# KiCad board hw-openmower-sabo.kicad_pcb (continued)
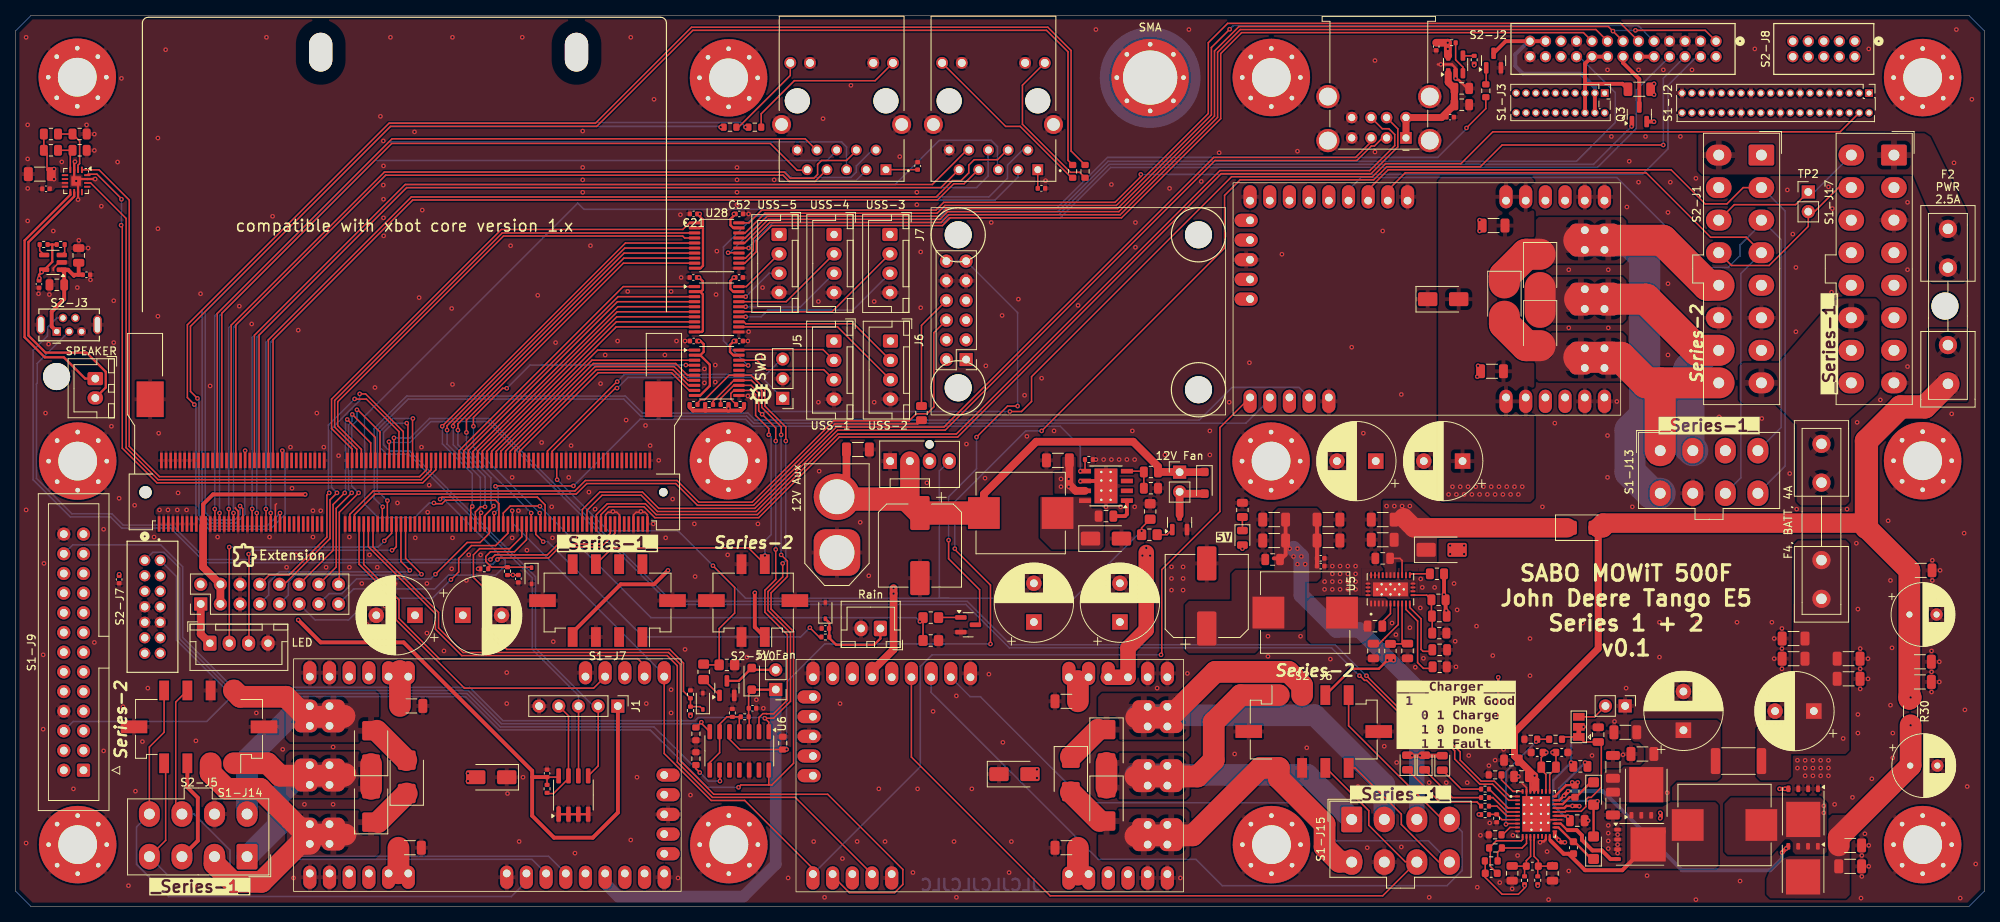
[diagram p0: board, top side]
## Routing (per net, layer and track width the routed paths; a pad name or vN(x,y) marks a point on that pad's centre or on a via; arc(x,y) is an arc through that point) (continued)
/Charger/FBG: length 8.7
  Top w0.2: U27.11 194.42,8.66 194.24,8.48 191.02,8.48 190.09,7.56 ; C49.2 190.24,5.18 190.24,7.41
/Charger/REGN: length 18.4
  Top w0.2: U27.24 199.93,12.21 200.01,12.28 201.97,12.28 202.57,12.88 202.57,13.77 202.89,14.08 203.27,14.08 204.57,15.38 204.57,20.83 ; R72.1 199.79,21.88 JP1.1 202.32,21.23 C84.1
/Charger/SRN: length 7
  Top w0.2: 193.1,5.21 C83.2 194.89,5.92 195.44,6.47 195.44,8.58 195.42,8.61 U27.13 ; R69.2 194.67,4.98
/Charger/SRP: length 7.7
  Top w0.2: 198.24,5.21 C83.1 196.44,5.92 195.89,6.47 195.89,8.58 195.92,8.61 U27.14 ; R68.2 196.37,5.13
  Top w0.3: 198.24,5.63 197.87,5.26
/Charger/STAT1: length 4.7
  Top w0.2: U27.4 192.55,12.71 190.1,15.16
/Charger/STAT2: length 4.5
  Top w0.2: R35.2 190.58,14.06 192.43,12.21 U27.5
/Charger/TS: length 15.2
  Top w0.2: v1(192.27,10.61) 192.37,10.71 U27.8 ; R72.2 196.47,21.58
  Bottom w0.2: v1(192.27,10.61) 192.27,17.38 v1(196.17,21.28)
/Charger/~{PG}: length 4.2
  Top w0.2: U27.6 192.37,11.71 191.12,12.96 R76.2
/Connectors/ETH1.LED_G: length 194.5
  Top w0.2: v1(23.07,64.78) 22.17,65.68 22.17,75.08 48.17,101.08 74.8,101.08 87.2,113.48 133.17,113.48 136.17,110.48 136.17,97.51 137.97,95.71 ; J26.54 v1(34.42,58.83)
  Bottom w0.2: v1(34.42,58.83) 34.77,58.48 34.77,50.59 32.87,48.68 24.94,48.68 23.27,50.35 23.27,64.58 v1(23.07,64.78)
/Connectors/ETH1.LED_Y: length 183
  Top w0.2: v1(34.12,50.78) J26.53 ; 136.37,95.71 135.77,96.31 135.77,110.31 132.99,113.08 87.37,113.08 74.97,100.68 48.37,100.68 22.57,74.88 22.57,66.48 v1(23.47,65.58)
  Bottom w0.2: v1(23.47,65.58) 23.67,65.38 23.67,50.52 25.1,49.08 32.42,49.08 v1(34.12,50.78)
/Connectors/ETH1.PAIR_A_N: length 133
  Top w0.2: J26.47 32.32,51.28 v1(32.31,51.3)
  Bottom w0.2: v1(32.31,51.3) 32.31,72.82 51.07,91.58 125.57,91.58 127.97,93.98 127.97,95.68 129.92,97.63 J23.2
/Connectors/ETH1.PAIR_A_P: length 129.7
  Top w0.2: v1(32.92,50.78) J26.49
  Bottom w0.2: v1(32.92,50.78) 32.92,72.83 51.27,91.18 126.37,91.18 129.33,94.15 J23.3
/Connectors/ETH1.PAIR_B_N: length 121.6
  Top w0.2: 127.92,97.63 126.67,96.38 123.67,96.38 122.97,95.68 122.97,94.68 121.97,93.68 120.87,93.68 118.77,91.58 51.07,91.58 32.62,73.13 J26.48
/Connectors/ETH1.PAIR_B_P: length 115.6
  Top w0.2: J26.50 33.22,73.17 51.24,91.18 118.94,91.18 121.04,93.28 122.37,93.28 124.18,95.09
/Connectors/ETH1.PAIR_C_N: length 134
  Top w0.2: J26.41 30.52,51.31 v1(30.53,51.32)
  Bottom w0.2: v1(30.53,51.32) 30.53,73.44 50.27,93.18 113.47,93.18 119.17,98.88 125.87,98.88 126.67,98.08 126.67,95.12
/Connectors/ETH1.PAIR_C_P: length 130.5
  Top w0.2: v1(31.12,50.78) J26.43
  Bottom w0.2: 125.47,97.66 125.47,94.28 123.97,92.78 50.44,92.78 31.13,73.48 31.13,50.79 v1(31.12,50.78)
/Connectors/ETH1.PAIR_D_N: length 118
  Top w0.2: J26.42 30.82,73.73 50.27,93.18 118.27,93.18 122.72,97.63
/Connectors/ETH1.PAIR_D_P: length 115.3
  Top w0.2: J26.44 31.42,73.73 50.47,92.78 119.37,92.78 121.68,95.09
/Connectors/ETH2.LED_G: length 122.6
  Top w0.2: v1(29.62,58.83) J26.38
  Bottom w0.2: v1(29.62,58.83) 29.57,58.78 29.57,50.62 28.44,49.48 25.27,49.48 24.07,50.68 24.07,76.95 48.3,101.18 93.57,101.18 v1(94.17,100.58)
/Connectors/ETH2.LED_Y: length 111.1
  Top w0.2: J26.37 29.32,51.33 v1(28.97,51.68)
  Bottom w0.2: v1(28.97,51.68) 28.97,50.58 28.27,49.88 25.47,49.88 24.47,50.88 24.47,76.78 48.37,100.68 90.87,100.68 v1(90.97,100.58)
/Connectors/ETH2.PAIR_A_N: length 118.8
  Top w0.2: J26.31 27.52,51.28 v1(27.51,51.3)
  Bottom w0.2: 110.45,97.56 108.47,95.58 108.47,94.78 107.78,94.1 100.06,94.1 99.37,94.78 47.6,94.78 27.51,74.69 v1(27.51,51.3)
/Connectors/ETH2.PAIR_A_P: length 116
  Top w0.2: v1(28.12,50.78) J26.33
  Bottom w0.2: v1(28.12,50.78) 28.12,74.73 47.77,94.38 99.07,94.38 99.76,93.7 108.42,93.7 109.75,95.02
/Connectors/ETH2.PAIR_B_N: length 108.9
  Top w0.2: J26.32 27.82,75.03 47.57,94.78 99.17,94.78 99.97,93.98 102.97,93.98 103.47,94.48 103.47,95.78 103.98,96.28 107.19,96.28 108.47,97.56
/Connectors/ETH2.PAIR_B_P: length 102.6
  Top w0.2: J26.34 28.42,75.07 47.74,94.38 99,94.38 99.8,93.58 103.14,93.58 104.58,95.02
/Connectors/ETH2.PAIR_C_N: length 121
  Top w0.2: v1(25.71,51.3) 25.72,51.28 J26.25
  Bottom w0.2: 107.21,95.02 107.21,98.04 106.57,98.68 48.17,98.68 25.71,76.22 v1(25.71,51.3)
/Connectors/ETH2.PAIR_C_P: length 115.3
  Top w0.2: v1(26.32,50.78) J26.27
  Bottom w0.2: v1(26.32,50.78) 26.32,76.27 46.34,96.28 104.65,96.28 105.93,97.56
/Connectors/ETH2.PAIR_D_N: length 105.9
  Top w0.2: 103.09,97.86 101.87,99.08 48.57,99.08 26.02,76.53 J26.26
/Connectors/ETH2.PAIR_D_P: length 105
  Top w0.2: 102.13,95.02 100.83,95.02 97.37,98.48 48.54,98.48 26.62,76.57 J26.28
/Connectors/USBH1.N: length 126.1
  Top w0.2: J26.177 73.72,51.13 75.67,53.08 80.71,53.08 82.81,50.98 95.54,50.98 106.04,61.48 119.94,61.48 154.74,96.28 173.04,96.28 174.91,98.15 175.3,98.15 176.35,99.2
/Connectors/USBH1.P: length 125
  Top w0.2: 174.87,98.68 172.87,96.68 154.57,96.68 119.77,61.88 105.87,61.88 95.37,51.38 82.98,51.38 80.88,53.48 75.37,53.48 73.12,51.23 J26.175
/Connectors/USBH2.N: length 129.2
  Top w0.2: J26.183 75.52,50.57 76.54,51.58 81.08,51.58 82.48,50.18 95.87,50.18 106.27,60.58 121.54,60.58 155.54,94.58 174.87,94.58 178.32,98.03 178.32,100.37 J16.6
/Connectors/USBH2.P: length 130.5
  Top w0.2: J26.181 74.92,50.57 76.34,51.98 81.25,51.98 82.65,50.58 95.7,50.58 106.1,60.98 121.37,60.98 155.37,94.98 174.7,94.98 177.92,98.2 177.92,99.64 177.17,100.38 176.31,100.38 J16.7
/DCDC/BIAS: length 7.4
  Top w0.2: U5.9 178.87,33.9 ; R26.2 179.53,33.9
/GPIO0: length 168.5
  Top w0.2: 102.87,4.88 94.07,13.68 89.75,13.68 83.68,19.75 U8.11 ; v1(147.77,32.48) 147.87,32.58 147.87,43.48 155.37,50.98 155.37,61.81 U9.11 ; v1(64.07,51.08) 64.12,51.03 J26.145
  Bottom w0.2: U10.11 116.72,18.03 116.72,30.97 118.23,32.48 v1(147.77,32.48) ; v1(64.07,51.08) 64.07,49.52 83.68,29.91
/GPIO1: length 56
  Top w0.2: v1(60.06,50.82) 59.92,50.68 J26.131 ; 87.59,84.98 78.6,84.98 55.67,62.06 v1(55.67,61.48)
  Bottom w0.2: v1(60.06,50.82) 59.97,50.9 59.97,55.38 55.67,59.68 v1(55.67,61.48)
/GPIO2: length 64.7
  Top w0.2: J26.141 62.92,50.78 63.82,51.68 67.62,51.68 v1(67.65,51.66) ; R25.1 R24.2
  Bottom w0.2: v1(116.67,36.78) 116.17,37.28 81.97,37.28 67.65,51.61 v1(67.65,51.66)
/GPIO3: length 196.7
  Top w0.2: v1(187.17,100.48) 189.67,102.98 R32.2 ; 62.36,49.41 62.36,51.99 61.92,52.43 55.47,52.43 55.02,51.98 54.07,51.98 v1(53.97,52.08)
  Bottom w0.2: 187.17,100.38 187.27,100.48 v1(187.17,100.48) 187.17,100.38 ; 187.17,100.38 183.47,96.68 140.87,96.68 134.27,90.08 119.9,90.08 119.8,89.98 73.34,89.98 72.54,90.78 45.04,63.28 45.04,51.94 46.79,50.18 51.47,50.18 53.37,52.08 v1(53.97,52.08)
/GPIO4: length 90.4
  Top w0.2: J26.137 61.72,50.57 61.76,50.61 v1(61.76,50.78) ; v1(71.97,54.28) 61.97,54.28 v1(61.92,54.23) ; U4.5 137.97,57.67
  Bottom w0.2: v1(61.76,50.78) 62.27,51.29 62.27,53.88 v1(61.92,54.23) ; v1(137.37,56.18) 137.37,59.38 134.77,61.98 95.07,61.98 94.17,62.88 80.57,62.88 v1(71.97,54.28)
/GPIO5: length 54.7
  Top w0.2: v1(57.07,61.48) 57.07,62.28 78.47,83.68 87.59,83.68 ; J26.133 60.52,50.43 61.67,51.58 v1(61.67,51.68)
  Bottom w0.2: v1(57.07,61.48) 57.07,59.58 61.32,55.33 61.32,52.03 v1(61.67,51.68)
/GPIO6: length 27
  Top w0.2: J26.135 61.12,48.17 59.94,46.98 58.27,46.98 v1(54.17,42.88)
  Bottom w0.2: v1(54.17,42.88) 53.57,42.28 44,42.28 42.1,40.38 40.47,40.38 J32.13
/GPIO7: length 34.6
  Top w0.2: v1(56.17,42.18) 57.17,43.18 57.17,44.93 58.82,46.58 61.94,46.58 63.52,48.17 J26.143
  Bottom w0.2: v1(56.17,42.18) 53.77,39.78 45.77,39.78 42.97,36.98 38.65,36.98 J32.11
/GPIO8: length 55.8
  Top w0.2: 87.59,84.33 78.51,84.33 56.45,62.27 v1(56.45,61.98) ; v1(60.57,51.58) 59.98,51.58 59.32,50.93 J26.129
  Bottom w0.2: v1(60.57,51.58) 60.57,55.48 56.47,59.58 56.47,61.96 v1(56.45,61.98)
/GPIO9: length 56.7
  Top w0.2: v1(55.05,61.98) 55.05,62 78.68,85.63 87.59,85.63 ; J26.127 58.72,51.43 v1(58.92,51.63)
  Bottom w0.2: v1(58.92,51.63) 58.92,55.87 55.07,59.72 55.07,61.96 v1(55.05,61.98)
/GPIO10: length 28.9
  Top w0.2: 87.59,66.61 86.91,66.61 84.64,68.88 75.16,68.88 65.02,58.74 J26.148
/GPIO11: length 29.6
  Top w0.2: J26.146 64.42,58.77 74.94,69.28 84.8,69.28 86.83,67.26 87.59,67.26
/GPIO12: length 30.2
  Top w0.2: 87.59,67.91 86.74,67.91 84.97,69.68 74.76,69.68 63.82,58.74 J26.144
/GPIO13: length 30.9
  Top w0.2: J26.142 63.22,58.77 74.54,70.08 85.17,70.08 86.69,68.56 87.59,68.56
/GPIO14: length 31
  Top w0.2: J26.140 62.62,58.77 74.36,70.51 87.59,70.51
/GPIO15: length 32.2
  Top w0.2: J26.138 62.02,58.74 75.09,71.81 87.59,71.81
/GPIO16: length 34
  Top w0.2: J26.136 61.42,58.74 77.49,74.81 U12.9
/GPIO17: length 34.9
  Top w0.2: J26.134 60.82,58.77 77.51,75.46 U12.8
/GPIO18: length 35.7
  Top w0.2: 87.58,76.11 77.56,76.11 60.22,58.77 J26.132
/GPIO19: length 36.6
  Top w0.2: J26.130 59.62,58.77 77.61,76.76 U12.6
/GPIO20: length 37.5
  Top w0.2: J26.128 59.02,58.74 77.69,77.41 87.58,77.41
/GPIO21: length 40.4
  Top w0.2: J26.122 57.22,58.83 78.39,80.01 U12.1
/GPIO22: length 39.2
  Top w0.2: U12.3 77.73,78.71 57.82,58.8 J26.124
/GPIO23: length 38.4
  Top w0.2: U12.4 77.64,78.06 58.42,58.83 J26.126
/I2C1.SCL: length 169.7
  Top w0.2: v1(174.27,29.78) 180.17,23.88 182.44,23.88 186.37,19.95 186.37,18.88 189.07,16.18 190.77,16.18 192.75,14.21 U27.1 ; v1(48.82,60.48) J26.94
  Bottom w0.2: v1(174.27,29.78) 174.22,29.78 170.22,33.78 128.37,33.78 122.77,39.38 84.67,39.38 61.07,62.98 53.4,62.98 50.9,60.48 v1(48.82,60.48)
/I2C1.SDA: length 170.3
  Top w0.2: J26.92 48.22,59.93 v1(48.17,59.98) ; 173.47,29.78 v1(173.37,29.78) 173.37,29.88 173.47,29.78 ; 173.47,29.78 173.47,29.74 174.02,29.18 174.3,29.18 180,23.48 182.27,23.48 185.66,20.1 185.66,19.03 188.9,15.78 190.54,15.78 192.62,13.71 U27.2
  Bottom w0.2: v1(173.37,29.78) 169.77,33.38 128.2,33.38 122.6,38.98 84.5,38.98 60.9,62.58 53.57,62.58 50.87,59.88 48.27,59.88 v1(48.17,59.98)
/I2C2.SCL: length 40.6
  Top w0.2: v1(41.47,53.38) 40.57,52.48 40.57,47.48 34.67,41.58 ; J26.98 50.02,61.3 45.16,66.16 v1(44.39,66.16)
  Bottom w0.2: v1(44.39,66.16) 44.39,65.31 40.77,61.68 40.77,54.08 v1(41.47,53.38)
/I2C2.SDA: length 41.7
  Top w0.2: 49.47,57.62 49.47,61.28 45.27,65.48 43.77,65.48 v1(43.74,65.51) ; v1(40.47,53.38) 40.17,53.08 40.17,47.68 35.27,42.78 32.71,42.78 J32.8
  Bottom w0.2: v1(43.74,65.51) 40.37,62.14 40.37,53.48 v1(40.47,53.38)
/I2C4_ID.SCL: length 67
  Top w0.2: v1(51.27,62.98) 51.27,62.88 51.22,62.83 J26.102 ; 72.63,25.86 72.63,16.88
  Bottom w0.2: v1(51.27,62.98) 48.7,62.98 47.07,61.35 47.07,59.18 47.87,58.38 50.7,58.38 66.67,42.42 66.67,33.18 72.63,27.22 72.63,25.86
/I2C4_ID.SDA: length 66
  Top w0.2: 75.17,25.86 75.17,18.15 73.87,16.86 ; J26.100 50.62,62.23 v1(50.47,62.38)
  Bottom w0.2: v1(50.47,62.38) 48.67,62.38 47.47,61.18 47.47,59.58 48.27,58.78 50.87,58.78 67.07,42.58 67.07,33.35 74.56,25.86
/I2S.CK: length 82
  Top w0.2: U3.16 9.38,94.52 10.5,94.52 13.67,91.35 v1(13.67,91.28) ; 13.77,87.78 13.77,59.15 18.24,54.68 52.54,54.68 54.22,56.37 J26.112
  Bottom w0.2: v1(13.62,87.93) 13.67,87.98 v1(13.67,91.28)
/I2S.SDO: length 81
  Top w0.2: J26.108 53.02,56.37 52.14,55.48 18.57,55.48 14.67,59.38 14.67,91.18 10.78,95.08 U3.1
/I2S.WS: length 79.3
  Top w0.2: J26.110 53.62,56.37 52.34,55.08 18.4,55.08 14.27,59.22 14.27,88.81 9.68,93.39 U3.14
/RASPI_FAN_ON: length 126
  Top w0.2: v1(89.97,43.98) 92.77,41.18 92.77,37.87 90.77,35.87 R52.2 88.87,31.18 ; J26.164 69.82,55.23 69.87,55.18 v1(69.87,55.08) ; v1(145.27,48.48) 145.27,48.88 R60.2
  Bottom w0.2: v1(145.27,48.48) 136.57,39.78 94.17,39.78 v1(89.97,43.98) 85.47,48.48 76.47,48.48 v1(69.87,55.08) ; 120.47,39.78 119.17,39.78 119.17,56.2 J33.4
/RobotConnectors/BMC_GN: length 23.1
  Top w0.2: S2-J1.12 221.37,82.73 226.22,82.73 231.27,87.78 TP2.2 232.07,89.68 235.17,92.78 S1-J17.10
/RobotConnectors/BMC_YW: length 19.8
  Top w0.2: TP2.1 229.63,90.58 221.72,90.58 S2-J1.11
  Bottom w0.2: 232.06,92.22 S1-J17.9
/RobotConnectors/BTN_~{CE}: length 133.3
  Top w0.2: U28.15 v1(94.57,84.98)
  Bottom w0.2: v1(94.57,84.98) 94.57,85.08 97.77,88.28 119.8,88.28 120.4,88.88 134.77,88.88 141.27,95.38 204.07,95.38 209.07,100.38 209.07,105.38 S2-J2.8
/RobotConnectors/HALL0_5V: length 166.5
  Top w0.2: v1(99.37,60.08) 99.37,61.88 96.67,64.58 96.67,66.78 94.89,68.56 U11.15 92.04,68.56 88.89,65.4 88.39,65.4 87.98,64.99 ; 97.17,22.57 97.17,23.78 v1(96.66,24.3) 97.78,24.3 99.97,26.48 99.97,35.32 97.07,38.22 97.07,40.65 98.97,42.55 v1(98.97,44.28)
  Bottom w0.2: v1(99.37,60.08) 99.37,44.68 v1(98.97,44.28) ; v1(96.66,24.3) 96.57,24.38 88.07,24.38 87.67,23.98 62.87,23.98 58.57,28.28 28,28.28 21.57,34.72 21.57,43.85 18.75,46.67 7.38,46.67 S1-J9.24
/RobotConnectors/HALL1_5V: length 164
  Top w0.2: v1(93.27,15.38) 93.57,15.68 97.17,15.68 ; v1(98.77,60.88) 98.77,61.92 96.27,64.42 96.27,66.58 94.94,67.91 92.66,67.91 92.28,67.53 92.28,67.5 89.98,65.19 R50.1 ; 97.17,15.68 97.57,15.68 100.37,18.48 100.37,35.48 97.47,38.38 97.47,40.48 99.57,42.58 99.57,44.58 v1(98.77,45.38) ; 97.17,15.68 97.18,15.69 U6.14
  Bottom w0.2: v1(93.27,15.38) 89.27,15.38 81.87,22.78 62.37,22.78 58.07,27.08 27.87,27.08 24.67,23.88 7.45,23.88 S1-J9.6 ; v1(98.77,45.38) v1(98.77,60.88)
/RobotConnectors/HALL2_5V: length 215.1
  Top w0.2: R49.2 90.96,65.57 92.64,67.26 U11.13 94.89,67.26 95.87,66.28 95.87,63.97 v1(96.31,63.53) 98.07,61.77 v1(98.07,60.08) ; v1(128.27,63.88) 129.77,63.88 131.07,65.18 131.07,68.38 156.87,94.18 175.04,94.18 176.74,95.88 186.47,95.88 190.57,99.98 235.38,99.98 S1-J2.4 ; U6.2 95.91,24.4 96.41,24.9 96.91,24.9 96.92,24.88 97.8,24.88 99.57,26.65 99.57,35.08 96.67,37.98 96.67,40.82 98.07,42.22 v1(98.07,46.08)
  Bottom w0.2: v1(98.07,60.08) v1(98.07,46.08) ; v1(96.31,63.53) 96.67,63.88 v1(128.27,63.88)
/RobotConnectors/HALL3_5V: length 50.8
  Top w0.2: R48.2 92.28,65.46 92.28,66.23 92.66,66.61 U11.12 94.94,66.61 95.47,66.08 95.47,63.38 97.17,61.68 v1(97.17,60.88) ; S2-J10.3 94.55,46.28 76.97,46.28 S1-J7.7
  Bottom w0.2: v1(97.17,60.88) 97.47,60.58 97.47,47.98 96.67,47.18 v1(96.67,45.28)
/RobotConnectors/LATCH_LOAD: length 145.3
  Top w0.2: v1(208.97,113.08) 217.97,113.08 S2-J2.1 ; S2-J2.13 v1(206.07,112.98) 205.47,113.58 157.84,113.58 154.67,110.42 154.67,102.02 142.34,89.68 120.24,89.68 119.24,88.68 97.12,88.68 94.07,85.63 U28.16
  Bottom w0.2: v1(206.07,112.98) 206.17,113.08 v1(208.97,113.08)
/RobotConnectors/LCD_BACKLIGHT_ANODE: length 15.4
  Top w0.5: 202.47,106.18 207.31,106.18 R29.1 ; 202.47,106.18 S1-J3.5 S1-J3.6 ; 202.47,106.18 202.47,108.78 S2-J2.18 S2-J2.16
/RobotConnectors/LCD_BACKLIGHT_KATHODE: length 25.9
  Top w0.5: S2-J2.23 S2-J2.25 192.23,111.68 Q2.3 ; S1-J3.4 S1-J3.3
  Bottom w0.5: 195.17,111.68 193.47,109.98 193.47,108.48 194.47,107.48 201.95,107.48 203.74,105.69 S1-J3.3
/RobotConnectors/LCD_IN_X: length 130.7
  Top w0.2: S2-J2.15 203.87,113.18 158,113.18 155.07,110.25 155.07,101.85 142.5,89.28 120.4,89.28 119.4,88.28 97.29,88.28 95.17,86.17 95.17,84.68 94.17,83.68 U28.13
/RobotConnectors/LCD_IN_Y: length 128.6
  Top w0.2: U28.12 94.09,83.03 95.57,84.52 95.57,85.92 97.54,87.88 119.57,87.88 120.57,88.88 142.67,88.88 155.47,101.68 155.47,110.09 158.17,112.78 202.27,112.78 S2-J2.17
/RobotConnectors/LCD_IN_Z: length 149.9
  Top w0.2: v1(94.52,69.83) 93.34,69.83
  Bottom w0.2: v1(94.52,69.83) 91.32,73.03 91.32,85.13 95.27,89.08 119.47,89.08 120.07,89.68 134.44,89.68 140.94,96.18 201.37,96.18 206.37,101.18 206.37,105.05 201.74,109.68
/RobotConnectors/MC_HALL_SENSOR.U: length 94
  Bottom w0.2: 171.95,92.47 173.57,94.08 206.57,94.08 218.17,82.48 220.97,82.48 222.47,83.98 222.47,85.38 225.26,88.17 ; 225.26,88.58 227.77,86.07 227.77,61.83 S1-J13.4
/RobotConnectors/MC_HALL_SENSOR.V: length 96.7
  Top w0.2: 174.49,92.51 177.07,95.08 213.57,95.08 217.97,90.68 220.77,90.68 222.87,92.78 225.26,92.78
  Bottom w0.2: 225.26,92.78 228.27,89.77 228.27,56.83 S1-J13.8
/RobotConnectors/MC_HALL_SENSOR.W: length 86.4
  Top w0.2: 177.03,92.45 179.27,94.68 210.37,94.68 218.67,86.38 223.26,86.38 225.26,84.38
  Bottom w0.2: 225.26,84.38 222.57,81.69 222.57,55.33 S1-J13.7
/RobotConnectors/MC_PHASE.U: length 35
  Top w4: D12.2 194.87,72.38 192.07,75.18 D14.2 ; S1-J13.1 212.17,67.58 ; 201.67,70.88 207.07,70.88 210.37,67.58 219.76,67.58
/RobotConnectors/MC_PHASE.V: length 39.6
  Top w4: D13.2 D12.1 ; 201.77,78.38 210.32,78.38 216.92,71.78 219.76,71.78
  Bottom w4: S1-J13.2 215.87,59.33 215.87,69.38 218.27,71.78 219.76,71.78
/RobotConnectors/MC_PHASE.W: length 70
  Top w4: D13.1 194.87,84.18 192.07,81.38 D14.1 ; 201.67,85.98 212.47,85.98 218.27,80.18 219.76,80.18
  Bottom w4: 201.77,85.88 208.17,85.88 210.17,83.88 210.17,63.38 208.27,61.48 208.27,56.08 211.02,53.33 S1-J13.5
/RobotConnectors/ML_HALL_SENSOR.U: length 71.3
  Top w0.2: S2-J5.7 20.67,26.38 20.67,12.73
  Bottom w0.2: S1-J14.7 23.02,11.93 27.67,7.28 27.67,5.28 28.47,4.48 34.2,4.48 36.2,6.48 68.77,6.48 U8.4
/RobotConnectors/ML_HALL_SENSOR.V: length 66.4
  Top w0.2: S1-J14.4 19.37,8.53 19.37,18.28
  Bottom w0.2: U8.5 66.63,6.08 36.37,6.08 34.37,4.08 19.62,4.08 S1-J14.4
/RobotConnectors/ML_HALL_SENSOR.W: length 76.7
  Top w0.2: S1-J14.8 17.27,20.58 19.17,22.48 S2-J5.8
  Bottom w0.2: 65.9,3.22 63.97,1.28 19.77,1.28 15.62,5.43 15.62,10.28 S1-J14.8
/RobotConnectors/ML_PHASE.U: length 44.3
  Top w2: 46.61,22.68 D8.2
  Top w2.8: 50.41,18.88 46.61,22.68 ; S2-J5.5 28.98,27.07 34.88,27.07 37.47,24.48 42.32,24.48 42.43,24.59 41.97,24.59 41.77,24.38
  Bottom w2.8: 42.27,24.48 35.37,24.48 29.87,18.98 S1-J14.5
/RobotConnectors/ML_PHASE.V: length 37.4
  Top w2.8: 42.57,17.08 42.37,16.88 34.11,16.88 32.51,18.48 S2-J5.1 ; D8.1 D9.2
  Bottom w2.8: S1-J14.1 33.87,10.43 33.87,14.18 36.57,16.88 42.37,16.88
/RobotConnectors/ML_PHASE.W: length 43.4
  Top w2.8: S2-J5.2 25.17,17.24 27.23,15.18 31.57,15.18 37.47,9.28 42.57,9.28 ; U8.W 36.64,8.08 31.74,3.18 28,3.18 25.67,5.51 S1-J14.2 ; 46.77,10.88 D10.1
/RobotConnectors/MR_HALL_SENSOR.U: length 102.6
  Top w0.2: 169.05,17.88 174.57,12.37 174.57,10.48 179.27,5.78 180.77,5.78 176.37,1.38 133.47,1.38 115.57,19.28 U10.4
/RobotConnectors/MR_HALL_SENSOR.V: length 109.9
  Top w0.2: 184.01,11.28 171.97,23.33 S2-J6.4
  Bottom w0.2: U10.5 118.11,27.64 139.67,6.08 152.27,6.08 155.67,2.68 184.67,2.68 186.62,4.63 186.62,9.63 184.97,11.28
/RobotConnectors/MR_HALL_SENSOR.W: length 93
  Top w0.2: 184.97,5.78 183.57,5.78 178.77,10.58 178.77,11.92 172.8,17.88 S2-J6.8
  Bottom w0.2: U10.6 123.15,27.08 124.47,27.08 138.17,13.38 165.47,13.38 170.37,8.48 182.27,8.48 184.97,5.78
/RobotConnectors/MR_PHASE.U: length 45.2
  Top w2: 139.85,11.03 D18.2
  Top w2.8: 136.14,14.75 139.85,11.03 ; 144.47,9.08 144.57,9.18 151.87,9.18 160.57,17.88 S2-J6.5 162.97,16.53 168.87,10.63 168.87,7.68 170.77,5.78 172.37,5.78
/RobotConnectors/MR_PHASE.V: length 59.2
  Top w2.8: S2-J6.1 158.04,27.28 154.57,23.81 154.57,18.88 152.47,16.78 144.47,16.78 ; D18.1 D19.2
  Bottom w2.8: 144.47,16.98 166.67,16.98 172.37,11.28
/RobotConnectors/MR_PHASE.W: length 71.9
  Top w2: 139.66,22.83 D19.1
  Top w2.8: 144.57,24.38 148.87,24.38 154.77,30.28 164.21,30.28 165.97,28.53 S2-J6.2 ; 136.14,19.31 139.66,22.83
  Bottom w2.8: 144.67,24.68 167.62,24.68 176.57,15.73 176.57,11.28
/RobotConnectors/OE: length 7.4
  Top w0.5: Q3.3 209.47,106.78 207.37,108.88 S2-J2.14
/RobotConnectors/SPI_CLK: length 135.3
  Top w0.2: v1(156.63,113.23) 154.27,110.87 154.27,102.18 142.17,90.08 120.07,90.08 119.07,89.08 96.95,89.08 94.15,86.28 U28.17
  Bottom w0.2: v1(156.63,113.23) 157.09,113.68 209.37,113.68 S2-J2.9
/RobotConnectors/SPI_RX: length 137.4
  Top w0.2: v1(145.16,94.49) 145.16,94.21 141.84,90.88 119.74,90.88 118.74,89.88 96.27,89.88 94.62,88.23 U28.20
  Bottom w0.2: 216.87,109.68 213.17,105.98 213.17,97.78 209.88,94.49 v1(145.16,94.49)
/RobotConnectors/SPI_TX: length 133.6
  Top w0.2: S2-J2.11 207.07,113.98 156.37,113.98 153.87,111.48 153.87,102.35 142.01,90.48 119.91,90.48 118.91,89.48 96.67,89.48 94.12,86.93 U28.18
/RobotConnectors/USS_1_ECHO_5V: length 13.3
  Top w0.2: J5.3 104.27,69.28 96.87,69.28 95.64,70.51 U11.18
/RobotConnectors/USS_1_TRIGGER_5V: length 12.8
  Top w0.2: 93.39,71.88 104.17,71.88 J5.2
/RobotConnectors/USS_2_ECHO_5V: length 22.4
  Top w0.2: J6.3 106.04,74.81 U12.12
/RobotConnectors/USS_2_TRIGGER_5V: length 21.6
  Top w0.2: U12.13 93.96,75.46 94.21,75.21 108.14,75.21 J6.2
/RobotConnectors/USS_3_ECHO_5V: length 21.8
  Top w0.2: v1(94.19,76.11) 93.31,76.11
  Bottom w0.2: v1(94.19,76.11) 96.19,76.11 97.07,76.98 108.04,76.98 J7.3
/RobotConnectors/USS_3_TRIGGER_5V: length 22.6
  Top w0.2: U12.15 105.32,76.76 J7.2
/RobotConnectors/USS_4_ECHO_5V: length 14.1
  Top w0.2: v1(94.19,77.41) 93.31,77.41
  Bottom w0.2: v1(94.19,77.41) 94.21,77.38 101.24,77.38 J8.3
/RobotConnectors/USS_4_TRIGGER_5V: length 14.8
  Top w0.2: U12.17 99.42,78.06 J8.2
/RobotConnectors/USS_5_ECHO_5V: length 5.6
  Bottom w0.2: v1(94.19,78.71) 97.21,81.73 J9.3
/RobotConnectors/USS_5_TRIGGER_5V: length 6.9
  Top w0.2: J9.2 94.27,80.01 U12.20
/RobotConnectors/~{OE}: length 124.7
  Top w0.2: v1(91.92,84.38) 93.27,84.38
  Bottom w0.2: v1(91.92,84.38) 92.17,84.38 96.47,88.68 119.64,88.68 120.24,89.28 134.6,89.28 141.1,95.78 203.57,95.78 v1(208.47,100.68)
/SPI1.MISO: length 65.3
  Top w0.2: 87.59,88.23 86.94,88.23 86.09,87.38 62.67,87.38 40.77,65.48 40.77,61.68 43.42,59.03 J26.76
/SPI1.MOSI: length 64.3
  Top w0.2: J26.78 44.02,59.03 41.17,61.88 41.17,65.32 62.79,86.93 87.59,86.93
/SPI1.SCK: length 63.8
  Top w0.2: J26.80 44.62,59 41.57,62.05 41.57,65.15 62.95,86.53 86.07,86.53 86.32,86.28 87.59,86.28
/SPI2.MISO: length 30.4
  Top w0.2: J26.84 45.82,59.83 v1(42.79,62.86) ; J32.12 40.97,45.96 40.97,51.88 v1(42.47,53.38)
  Bottom w0.2: v1(42.79,62.86) 42.57,62.64 42.57,53.48 v1(42.47,53.38)
/SPI2.MOSI: length 31.4
  Top w0.2: v1(43.44,63.51) 46.42,60.53 J26.86 ; v1(43.37,53.38) 41.37,51.38 41.37,43.82 J32.14
  Bottom w0.2: v1(43.44,63.51) 43.22,63.28 43.39,63.11 43.39,62.61 42.97,62.19 42.97,53.78 v1(43.37,53.38)
/SPI2.SCK: length 31.9
  Top w0.2: v1(44.04,64.11) 44.14,64.11 47.02,61.23 J26.88 ; v1(44.27,53.38) 41.77,50.88 41.77,41.68
  Bottom w0.2: v1(44.27,53.38) 43.37,54.28 43.37,62.02 44.04,62.7 v1(44.04,64.11)
/STM_SWCLK: length 36.4
  Top w0.2: v1(77.62,67.73) 77.57,67.73 68.62,58.78 J26.160
  Bottom w0.2: v1(77.62,67.73) 78.57,68.68 96.87,68.68 98.85,70.66
/STM_SWDIO: length 36
  Top w0.2: v1(77.59,66.91) 77.38,66.91 69.22,58.74 J26.162
  Bottom w0.2: v1(77.59,66.91) 77.64,66.91 79.02,68.28 96.27,68.28 J31.1
/UART1.RX: length 48.3
  Top w0.2: J26.81 44.92,44.13 49.47,39.58 49.47,37.18 54.67,31.98 80.27,31.98 81.14,31.11
/UART1.TX: length 45.6
  Top w0.2: U8.14 74.58,28.18 57.9,28.18 49.07,37.02 49.07,39.42 44.32,44.17 J26.79
/UART2.RX: length 132
  Top w0.2: v1(47.97,52.38) 47.97,49.42
  Bottom w0.2: v1(47.97,52.38) 46.67,53.68 46.67,61.52 50.64,65.48 78.47,65.48 80.67,63.28 94.34,63.28 95.24,62.38 158.72,62.38 161.79,65.46
/UART2.TX: length 138.7
  Top w0.2: J26.89 47.32,51.43 47.37,51.48 v1(47.37,51.58)
  Bottom w0.2: U9.14 165.57,67 156.93,67 152.71,62.78 95.4,62.78 94.5,63.68 80.87,63.68 78.67,65.88 50.47,65.88 46.27,61.68 46.27,52.68 v1(47.37,51.58)
/UART4.RX: length 109.4
  Top w0.2: 105.41,3.95 107.57,1.78 113.41,1.78 114.47,2.85 114.47,4.78 104.77,14.48 90.08,14.48 85.77,18.79 85.77,31.25 84.24,32.78 57.74,32.78 54.57,35.95 54.57,37.95 46.12,46.4 J26.85
/UART4.TX: length 93.9
  Top w0.2: U10.14 100.59,14.08 89.91,14.08 85.37,18.63 85.37,31.08 84.07,32.38 57.57,32.38 54.17,35.78 54.17,37.78 45.52,46.43 J26.83
/UART6.RX: length 81.7
  Top w0.2: J26.77 43.72,50.57 46.39,53.23 72.33,53.23 73.68,54.58 85.17,54.58 87.97,51.78 95.21,51.78 105.71,62.28 116.38,62.28 R58.2
/UART6.TX: length 96.5
  Top w0.2: J26.75 43.12,50.61 46.14,53.63 72.17,53.63 73.52,54.98 85.34,54.98 88.14,52.18 95.04,52.18 105.54,62.68 115.29,62.68 116.19,63.58 117.57,63.58 118.47,64.48 118.47,74.06 U13.9
/UART7.RX: length 34.1
  Top w0.2: 48.67,45.98 49.12,46.43 J26.95 ; 48.67,45.98 v1(48.57,45.98) 48.57,45.88 48.67,45.98 ; 30.12,34.03 30.12,45.43 v1(30.07,45.48)
  Bottom w0.2: v1(48.57,45.98) 30.57,45.98 v1(30.07,45.48)
/UART7.TX: length 35.4
  Top w0.2: 47.57,47.22 v1(47.57,47.18) 47.54,47.18 47.57,47.22 ; 47.57,47.22 48.52,48.17 J26.93 ; v1(27.57,46.38) 27.58,46.37 27.58,33.99
  Bottom w0.2: v1(27.57,46.38) 46.77,46.38 v1(47.57,47.18)
/UART8.RX: length 28.2
  Top w0.2: v1(52.37,42.88) 50.32,44.93 J26.99
  Bottom w0.2: v1(52.37,42.88) 52.27,42.78 36.16,42.78 35.2,41.82 35.2,40.19 J32.9
/UART8.TX: length 28.6
  Top w0.2: v1(50.87,43.38) 49.72,44.53 J26.97
  Bottom w0.2: v1(50.87,43.38) 50.67,43.18 34.02,43.18 32.66,41.82 32.66,40.19 J32.7
/USB_EXT.N: length 105.4
  Top w0.2: J26.189 77.32,48.17 75.54,46.38 70.17,46.38 68.77,44.98 62.37,44.98 v1(62.17,44.78)
  Bottom w0.2: v1(62.17,44.78) 61.57,44.18 61.02,44.18 60.82,44.38 24.47,44.38 20.02,48.83 13.72,48.83 12.27,50.28 7.07,50.28 2.27,55.08 2.27,71.78 4.12,73.63 4.12,74.74 5.39,76.01 6.17,76.01
/USB_EXT.P: length 101.7
  Top w0.2: J26.187 76.72,48.17 75.34,46.78 70,46.78 68.6,45.38 61.87,45.38 v1(61.27,44.78)
  Bottom w0.2: v1(61.27,44.78) 24.64,44.78 20.19,49.23 13.89,49.23 12.44,50.68 7.27,50.68 2.7,55.25 2.7,67.45 2.8,67.55 2.8,70.09 6.97,74.26
